# Altium PCB EEG_new.PcbDoc (part 1 of 2) (continued)
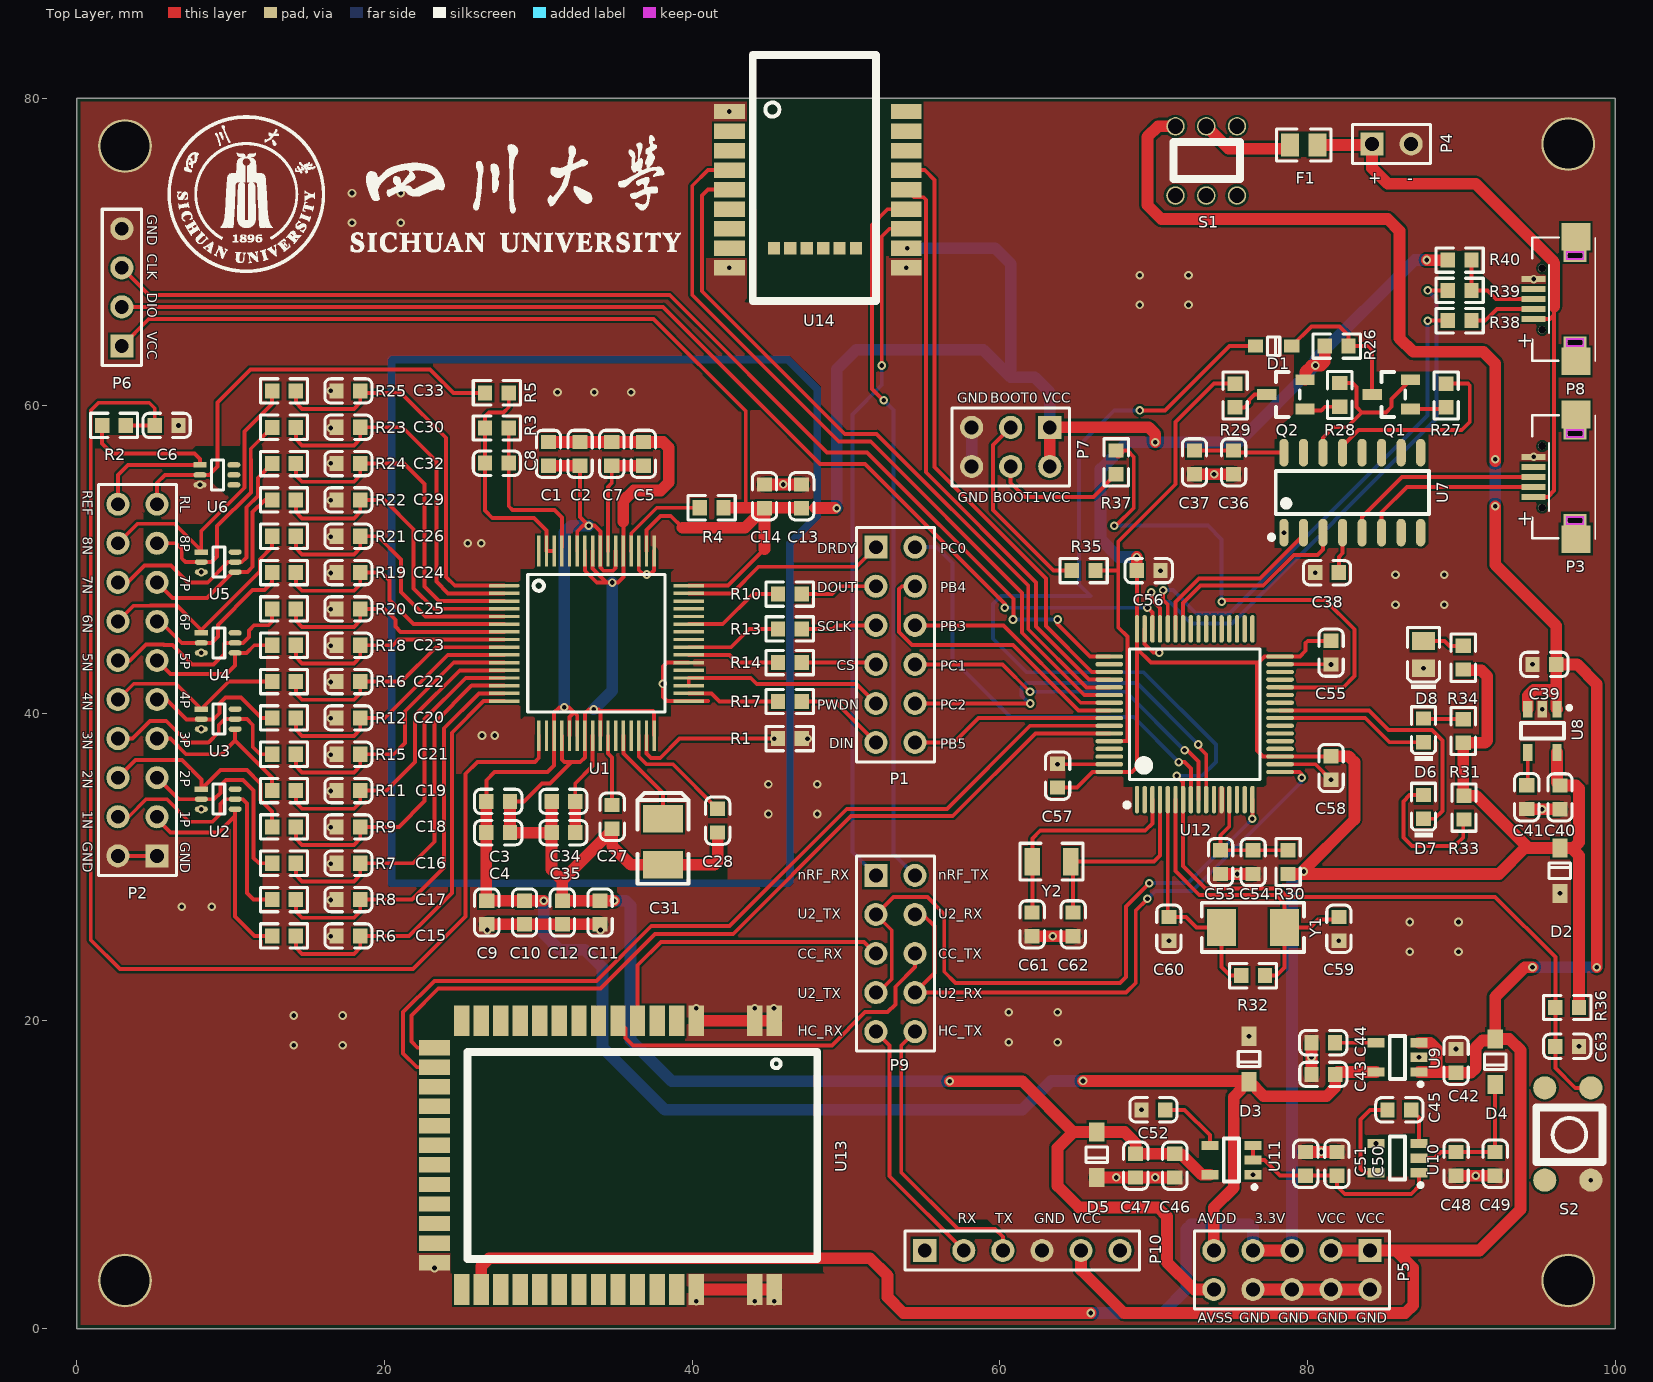
[diagram p0: Top Layer view]
## Footprints (in the part's own frame and the unit in brackets; to place one, negate y for a bottom-side part, rotate by r counter-clockwise, add the part's x,y. Pads: shape width x height; smd on the part's side, far side on the other; paste and mask are expansions set on the pad) (continued)
  rect 1.5x1.5 hole 0.9: 1(0,0)
  round 1.5 hole 0.9: 2(2.54,0) 3(5.08,0) 4(7.62,0) 5(10.16,0) 6(12.7,0)
  silkscreen extent -1.27,-1.27 13.97,1.27
HDR2X3 [mm] "Connector; Header; 3x2 Position"
  rect 1.5x1.5 hole 0.9: 1(0,0)
  round 1.5 hole 0.9: 2(0,2.54) 3(2.54,0) 4(2.54,2.54) 5(5.08,0) 6(5.08,2.54)
  silkscreen extent -1.27,-1.27 6.35,3.81
HDR2X5 [mm] "Connector; Header; 5x2 Position"
  rect 1.5x1.5 hole 0.9: 1(0,0)
  round 1.5 hole 0.9: 2(0,2.54) 3(2.54,0) 4(2.54,2.54) 5(5.08,0) 6(5.08,2.54) 7(7.62,0) 8(7.62,2.54) 9(10.16,0) 10(10.16,2.54)
  silkscreen extent -1.27,-1.27 11.43,3.81
HDR2X6 [mm] "Connector; Header; 6x2 Position"
  rect 1.5x1.5 hole 0.9: 1(0,0)
  round 1.5 hole 0.9: 2(0,2.54) 3(2.54,0) 4(2.54,2.54) 5(5.08,0) 6(5.08,2.54) 7(7.62,0) 8(7.62,2.54) 9(10.16,0) 10(10.16,2.54) 11(12.7,0) 12(12.7,2.54)
  silkscreen extent -1.27,-1.27 13.97,3.81
HDR2X10 [mm] "Connector; Header; 10x2 Position"
  rect 1.5x1.5 hole 0.9: 1(0,0)
  round 1.5 hole 0.9: 2(0,2.54) 3(2.54,0) 4(2.54,2.54) 5(5.08,0) 6(5.08,2.54) 7(7.62,0) 8(7.62,2.54) 9(10.16,0) 10(10.16,2.54) 11(12.7,0) 12(12.7,2.54) 13(15.24,0) 14(15.24,2.54) 15(17.78,0) 16(17.78,2.54) 17(20.32,0) 18(20.32,2.54) 19(22.86,0) 20(22.86,2.54)
  silkscreen extent -1.27,-1.27 24.13,3.81
key_4.5*4.5*3.8 [mm]
  round 1.5 smd: 1(0,0) 2(6,0) ""(0,-3) ""(6,-3)
  silkscreen extent 1.27,-3.56 4.83,0.76
KEY_5.8*5.8 [mm] "KEY_5.8*5.8"
  round 1.2 hole 1: 1(0,0) 2(0,2) 3(0,4) 4(4.5,4) 5(4.5,2) 6(4.5,0)
  silkscreen extent 1.02,-0.13 3.43,4.19
LQFP-64_10x10x05P [mm]
  oval 0.28x1.8 smd mask+0.051: 1(-3.75,-5.55) 2(-3.25,-5.55) 3(-2.75,-5.55) 4(-2.25,-5.55) 5(-1.75,-5.55) 6(-1.25,-5.55) 7(-0.75,-5.55) 8(-0.25,-5.55) 9(0.25,-5.55) 10(0.75,-5.55) 11(1.25,-5.55) 12(1.75,-5.55) 13(2.25,-5.55) 14(2.75,-5.55) 15(3.25,-5.55) 16(3.75,-5.55) 33(3.75,5.55) 34(3.25,5.55) 35(2.75,5.55) 36(2.25,5.55) 37(1.75,5.55) 38(1.25,5.55) 39(0.75,5.55) 40(0.25,5.55) 41(-0.25,5.55) 42(-0.75,5.55) 43(-1.25,5.55) 44(-1.75,5.55) 45(-2.25,5.55) 46(-2.75,5.55) 47(-3.25,5.55) 48(-3.75,5.55)
  oval 1.8x0.28 smd mask+0.051: 17(5.55,-3.75) 18(5.55,-3.25) 19(5.55,-2.75) 20(5.55,-2.25) 21(5.55,-1.75) 22(5.55,-1.25) 23(5.55,-0.75) 24(5.55,-0.25) 25(5.55,0.25) 26(5.55,0.75) 27(5.55,1.25) 28(5.55,1.75) 29(5.55,2.25) 30(5.55,2.75) 31(5.55,3.25) 32(5.55,3.75) 49(-5.55,3.75) 50(-5.55,3.25) 51(-5.55,2.75) 52(-5.55,2.25) 53(-5.55,1.75) 54(-5.55,1.25) 55(-5.55,0.75) 56(-5.55,0.25) 57(-5.55,-0.25) 58(-5.55,-0.75) 59(-5.55,-1.25) 60(-5.55,-1.75) 61(-5.55,-2.25) 62(-5.55,-2.75) 63(-5.55,-3.25) 64(-5.55,-3.75)
  silkscreen extent -4.55,-6.05 4.25,4.25
MICRO-USB [mm]
  rect 0.4x1.55 smd: 1(-1.3,2.2) 2(-0.65,2.2) 3(0,2.2) 4(0.65,2.2) 5(1.3,2.2)
  rect 1.8x1.9 smd: 6(-4.05,-0.55) 6(4.05,-0.55)
  rect 0.8x1.5 hole 0.4 slot 1 at 90 deg: 6(-2.825,-0.5) 6(2.825,-0.5)
  round 0.5 hole 0.5 unplated: ""(-2,1.65) ""(2,1.65)
  Keep-Out Layer lines w0.127: -3.054,0.075 -3.054,-1.043 -2.596,-1.043 -2.596,0.075 -3.054,0.075 ; 2.596,0.075 2.596,-1.043 3.054,-1.043 3.054,0.075 2.596,0.075
  silkscreen extent -4.05,-1.8 4,2.3, body extent -4.03,-3.3 4.03,2.28, height 3.13
nRF52832 [mm]
  rect 2x1 smd: 1(4.826,-4.699) 2(4.826,-3.429) 3(4.826,-2.159) 4(4.826,-0.889) 5(4.826,0.381) 6(4.826,1.651) 7(4.826,2.921) 8(4.826,4.191) 9(4.826,5.461) 16(-6.674,5.461) 17(-6.674,4.191) 18(-6.674,2.921) 19(-6.674,1.651) 20(-6.674,0.381) 21(-6.674,-0.889) 22(-6.674,-2.159) 23(-6.674,-3.429) 24(-6.674,-4.699)
  rect 0.8x0.8 smd: 10(1.93,4.191) 11(0.864,4.191) 12(-0.203,4.191) 13(-1.27,4.191) 14(-2.337,4.191) 15(-3.404,4.191)
  silkscreen extent -4.7,-8.38 3.3,7.62
"SMD-3215_2P FC - 135" [mm]
  rect 1x1.8 smd: 1(-1.25,0) 2(1.25,0)
  silkscreen extent -2.05,-1.2 2.05,1.2
SMD-5032_2P [mm]
  rect 1.9x2.4 smd: 1(-2.05,0) 2(2.05,0)
  silkscreen extent -3.32,-1.6 3.32,1.6
SOD-123 [mm]
  rect 1.25x1 smd: 1(1.475,0) 2(-1.475,0)
  silkscreen extent -0.5,-0.7 0.5,0.7, body extent -1.85,-0.77 1.85,0.78, height 1.35
SOD-323 [mm]
  rect 1x0.83 smd: 1(1.18,0) 2(-1.18,0)
  silkscreen extent -0.4,-0.6 0.4,0.6, body extent -1.35,-0.62 1.35,0.63, height 1.1
SOIC-16_150mil [mm]
  oval 0.6x1.8 smd: 1(-4.445,-2.6) 2(-3.175,-2.6) 3(-1.905,-2.6) 4(-0.635,-2.6) 5(0.635,-2.6) 6(1.905,-2.6) 7(3.175,-2.6) 8(4.445,-2.6) 9(4.445,2.6) 10(3.175,2.6) 11(1.905,2.6) 12(0.635,2.6) 13(-0.635,2.6) 14(-1.905,2.6) 15(-3.175,2.6) 16(-4.445,2.6)
  silkscreen extent -5.4,-3.05 4.97,1.4
SOP6 [mm]
  rect 0.85x0.35 smd: 1(0,0)
  oval 0.85x0.35 smd: 2(0,-0.65) 3(0,-1.3) 4(2.2,-1.3) 5(2.2,-0.65) 6(2.2,0)
  silkscreen extent 0.76,-1.63 1.52,0.33
SOT-23(SOT-23-3) [mm]
  rect 1.25x0.7 smd: 1(1.25,-0.95) 2(1.25,0.95) 3(-1.25,0)
  silkscreen extent -0.65,-1.46 0.9,1.46, body extent -1.5,-1.5 1.5,1.5, height 1.3
SOT-23-5 [mm]
  rect 1.1x0.6 smd: 1(1.4,-0.95) 2(1.4,0) 3(1.4,0.95) 4(-1.4,0.95) 5(-1.4,-0.95)
  silkscreen extent -0.5,-1.88 1.62,1.4

## Part data
C1 C2 C3 C4 C5 C7 C8 C9 C10 C11 C12 C13 C14 C27 C28 C35 C47 C49 C51: library part "0603 10nF (103) 10% 50V", "贴片电容", Package=0603, SuppliersPartNumber=C57112, ComponentLink1Description=供应商链接, ComponentLink1URL=http://www.szlcsc.com/product/details_58143.html, Supplier=LC
C6 C15 C16 C17 C18 C19 C20 C21 C22 C23 C24 C25 C26 C29 C30 C32 C33: library part "0603 4.7nF (472) 10% 50V", "贴片电容", Package=0603, SuppliersPartNumber=C53987, ComponentLink1Description=供应商链接, ComponentLink1URL=http://www.szlcsc.com/product/details_55004.html, Supplier=LC
C31: library part "3528 100uF (107) 10% 6.3V", "钽电容", Package=3528, SuppliersPartNumber=C16133, ComponentLink1Description=供应商链接, ComponentLink1URL=http://www.szlcsc.com/product/details_16815.html, Supplier=LC
C34 C36 C53: library part "0603 10uF (106) 10% 10V", "贴片电容", Package=0603, SuppliersPartNumber=C19702, ComponentLink1Description=供应商链接, ComponentLink1URL=http://www.szlcsc.com/product/details_20411.html, Supplier=LC
C37 C38 C54 C55 C56 C57 C58 C63: library part "0603 100nF (104) 10% 50V", "贴片电容", Package=0603, SuppliersPartNumber=C14663, ComponentLink1Description=供应商链接, ComponentLink1URL=http://www.szlcsc.com/product/details_15331.html, Supplier=LC
C39 C40 C42 C43 C45 C46 C48 C50: library part "0603 1uF (105) 10% 50V", "贴片电容", Package=0603, SuppliersPartNumber=C15849, ComponentLink1Description=供应商链接, ComponentLink1URL=http://www.szlcsc.com/product/details_16531.html, Supplier=LC
C41 C44 C52: library part "0603 1nF (102) 10% 50V", "贴片电容", Package=0603, SuppliersPartNumber=C1588, ComponentLink1Description=供应商链接, ComponentLink1URL=http://www.szlcsc.com/product/details_1940.html, Supplier=LC
C59 C60: library part "0603 22pF (220) 5% 50V", "贴片电容", Package=0603, SuppliersPartNumber=C1653, ComponentLink1Description=供应商链接, ComponentLink1URL=http://www.szlcsc.com/product/details_2005.html, Supplier=LC
C61 C62: library part "0603 10pF (100) 5% 50V", "贴片电容", Package=0603, SuppliersPartNumber=C1634, ComponentLink1Description=供应商链接, ComponentLink1URL=http://www.szlcsc.com/product/details_1986.html, Supplier=LC
D1: library part "SOD-323 1N4148WS T4", "二极管", Package=SOD-323, SuppliersPartNumber=C2128, ComponentLink1Description=供应商链接, ComponentLink1URL=http://www.szlcsc.com/product/details_2485.html, Supplier=LC
D2 D3 D4 D5: library part "SOD-123 B5819W  SL", "肖特基二极管", Package=SOD-123, SuppliersPartNumber=C8598, ComponentLink1Description=供应商链接, ComponentLink1URL=http://www.szlcsc.com/product/details_9093.html, Supplier=LC
D6 D7: library part "0603 绿灯", "发光二极管", Package=0603, SuppliersPartNumber=C72043, ComponentLink1Description=供应商链接, ComponentLink1URL=http://www.szlcsc.com/product/details_73152.html, Supplier=LC
D8: library part "0805 红灯", "发光二极管", Package=0805, SuppliersPartNumber=C2295, ComponentLink1Description=供应商链接, ComponentLink1URL=http://www.szlcsc.com/product/details_2668.html, Supplier=LC
F1: library part "Fuse 2", "Fuse", LatestRevisionDate=17-Jul-2002, LatestRevisionNote="Re-released for DXP Platform.", PackageDescription="Thru-Hole; 2 Leads", PackageReference=PIN-W2/E2.8, Published=8-Jun-2000, Publisher="Altium Limited"
P1: "Header, 6-Pin, Dual row", LatestRevisionDate=17-Jul-2002, LatestRevisionNote="Re-released for DXP Platform.", Publisher="Altium Limited"
P2: "Header, 10-Pin, Dual row", LatestRevisionDate=17-Jul-2002, LatestRevisionNote="Re-released for DXP Platform.", Publisher="Altium Limited"
P3 P8: library part "Header 5", "Header, 5-Pin", LatestRevisionDate=17-Jul-2002, LatestRevisionNote="Re-released for DXP Platform.", Publisher="Altium Limited"
P4: "Header, 2-Pin", LatestRevisionDate=17-Jul-2002, LatestRevisionNote="Re-released for DXP Platform.", Publisher="Altium Limited"
P5 P9: "Header, 5-Pin, Dual row", LatestRevisionDate=17-Jul-2002, LatestRevisionNote="Re-released for DXP Platform.", Publisher="Altium Limited"
P6: library part "Header 4", "Header, 4-Pin", LatestRevisionDate=17-Jul-2002, LatestRevisionNote="Re-released for DXP Platform.", Publisher="Altium Limited"
P7: "Header, 3-Pin, Dual row", LatestRevisionDate=17-Jul-2002, LatestRevisionNote="Re-released for DXP Platform.", Publisher="Altium Limited"
P10: library part "Header 6", "Header, 6-Pin", LatestRevisionDate=17-Jul-2002, LatestRevisionNote="Re-released for DXP Platform.", Publisher="Altium Limited"
Q1: library part "SOT-23 SS8050 Y1", "三极管", Package=SOT-23, SuppliersPartNumber=C2150, ComponentLink1Description=供应商链接, ComponentLink1URL=http://www.szlcsc.com/product/details_2507.html, Supplier=LC
Q2: library part "SOT-23 SS8550 Y2", "三极管", Package=SOT-23, SuppliersPartNumber=C8542, ComponentLink1Description=供应商链接, ComponentLink1URL=http://www.szlcsc.com/product/details_9037.html, Supplier=LC
R1 R3 R5: library part "0603 100KΩ (1003) 1%", "贴片电阻", Package=0603, SuppliersPartNumber=C25803, ComponentLink1Description=供应商链接, ComponentLink1URL=http://www.szlcsc.com/product/details_26546.html, Supplier=LC
R2 R6 R7 R8 R9 R11 R12 R15 R16 R18 R19 R20 R21 R22 R23 R24 R25: library part "0603 4.99KΩ (4991) 1%", "贴片电阻", Package=0603, SuppliersPartNumber=C23046, ComponentLink1Description=供应商链接, ComponentLink1URL=http://www.szlcsc.com/product/details_23773.html, Supplier=LC
R4 R35 R37: library part "0603 10KΩ (1002) 1%", "贴片电阻", Package=0603, SuppliersPartNumber=C25804, ComponentLink1Description=供应商链接, ComponentLink1URL=http://www.szlcsc.com/product/details_26547.html, Supplier=LC
R10 R13 R14 R17: library part "0603 33Ω (33R0) 1%", "贴片电阻", Package=0603, SuppliersPartNumber=C23140, ComponentLink1Description=供应商链接, ComponentLink1URL=http://www.szlcsc.com/product/details_23867.html, Supplier=LC
R26 R27 R28 R29 R34: library part "0603 1KΩ (1001) 1%", "贴片电阻", Package=0603, SuppliersPartNumber=C21190, ComponentLink1Description=供应商链接, ComponentLink1URL=http://www.szlcsc.com/product/details_21904.html, Supplier=LC
R30 R36 R38 R39: library part "0603 10Ω (10R0) 1%", "贴片电阻", Package=0603, SuppliersPartNumber=C22859, ComponentLink1Description=供应商链接, ComponentLink1URL=http://www.szlcsc.com/product/details_23586.html, Supplier=LC
R31 R33: library part "0603 510Ω (5100) 1%", "贴片电阻", Package=0603, SuppliersPartNumber=C23193, ComponentLink1Description=供应商链接, ComponentLink1URL=http://www.szlcsc.com/product/details_23920.html, Supplier=LC
R32: library part "0603 1.2MΩ (1204) 1%", "贴片电阻", Package=0603, SuppliersPartNumber=C22766, ComponentLink1Description=供应商链接, ComponentLink1URL=http://www.szlcsc.com/product/details_23493.html, Supplier=LC
R40: library part "0603 1.5KΩ (1501) 1%", "贴片电阻", Package=0603, SuppliersPartNumber=C22843, ComponentLink1Description=供应商链接, ComponentLink1URL=http://www.szlcsc.com/product/details_23570.html, Supplier=LC
S1 S2: "Switch", LatestRevisionDate=17-Jul-2002, LatestRevisionNote="Re-released for DXP Platform.", PackageDescription="Switch; 2 Leads", PackageReference=SPST-2, Published=24-Mar-1999, Publisher="Altium Limited"
U7: library part CH340G_[C14267], "USB", Package=SOIC-16_150mil, SuppliersPartNumber=C14267, ComponentLink1Description=供应商链接, ComponentLink1URL=http://www.szlcsc.com/product/details_14927.html, Supplier=LC
U12: "ARM", Package=LQFP-64_10x10x05P, SuppliersPartNumber=C8323, ComponentLink1Description=供应商链接, ComponentLink1URL=http://www.szlcsc.com/product/details_8815.html, Supplier=LC
Y1 Y2: library part "SMD-5032_2P 8MHz 20ppm 20pF", "贴片晶振", Package=SMD-5032_2P, SuppliersPartNumber=C115962, ComponentLink1Description=供应商链接, ComponentLink1URL=http://www.szlcsc.com/product/details_117214.html, Supplier=LC

## Free pads (board coordinates)
  round 3.5 hole 3.2: 11(3.127,3.127) 11(3.127,76.883) 11(96.949,3.127) 11(96.949,77.01)

## Via types
v1: diameter 0.559, hole 0.305, Top Layer to Bottom Layer, tented both sides, 151 vias

## Nets (pads, with @x,y where several pads share a name; then routed paths per layer and width w, separated by ;. In a path a pad name is that pad's centre, name@x,y a point inside that pad or via, vN(x,y) a via of type N, cw(c..) or ccw(c..) an arc to the next point about the centre after c; other vN are vias at no path point)
+5V: C36.1 C37.1 U7.16 | length 5.9
  Top Layer w0.254: C37.1@72.655,57.085 C36.1@75.2,57.085 75.337,56.948 U7.16@78.47,56.948
AGND: C6.1 C9.2 C10.2 C11.2 C12.2 C15.1 C16.1 C17.2 C18.2 C19.1 C20.1 C21.2 C22.2 C23.1 C24.1 C25.2 C26.2 C29.1 C30.1 C32.2 C33.2 C36.2 C37.2 C38.1 C39.1 C40.1 C41.1 C42.1 C43.1 C44.1 C46.2 C47.1 C48.2 C49.1 C50.2 C51.1 C52.1 C53.1 C54.1 C55.1 C56.1 C57.1 C58.1 C59.1 C60.1 C61.1 C62.1 C63.1 D2.1 D3.1 D5.2 D8.K P2.1 P2.2 P3.5 P4.2 P5.2 P5.4 P5.6 P5.8 P6.4 P7.5 P7.6 P8.5 P10.4 pad.11 R1.2 S2.2 U2.3 U3.3 U4.3 U5.3 U6.3 U7.1 U8.2 U9.2 U10.4 U11.1 U12.12 U12.18 U12.31 U12.47 U12.63 U13.1 U13.2 U13.3 U13.27 U13.40 U13.41 U13.42 U14.1 U14.9 U14.16 | length 63.9
  Top Layer w0.254: P2.2@2.667,30.734 P2.1@5.207,30.734 ; C57.1@63.754,36.711 63.776,36.689 U12.63@67.118,36.689 ; U12.47@69.418,45.489 69.418,44.501 69.977,43.942 v1(70.358,43.942) ; U12.18@78.218,36.689 80.521,36.689 v1(81.534,35.676) ; U12.31@78.218,43.189 81.517,43.189 v1(81.534,43.172)
  Top Layer w0.762: C9.2@26.646,26.281 C10.2@29.101,26.281 C12.2@31.557,26.281 C11.2@34.012,26.281 ; U13.40@40.259,2.54 U13.41@44.059,2.54 U13.42@45.329,2.54 ; U13.3@40.259,20.01 U13.2@44.059,20.01 U13.1@45.329,20.01 ; C61.1@62.103,25.511 C62.1@64.77,25.511 ; D5.2@66.294,9.828 v1(67.564,9.828) v1(70.104,9.828) 71.364,9.828 C46.2@71.374,9.818 ; C37.2@72.655,55.545 v1(73.927,55.545) C36.2@75.2,55.545 ; C53.1@74.351,29.559 v1(75.438,29.559) C54.1@76.464,29.559 ; P5.8@76.454,2.54 P5.6@78.994,2.54 P5.4@81.534,2.54 P5.2@84.074,2.54 ; C51.1@79.883,11.485 v1(80.899,11.485) C50.2@81.915,11.485 ; C44.1@80.256,18.585 80.256,16.533 C43.1@80.264,16.525 ; C48.2@89.662,9.945 v1(90.932,9.945) C49.1@92.202,9.945 ; C41.1@94.389,33.766 v1(95.25,33.766) C40.1@96.413,33.766
  Bottom Layer w0.762: P7.6@58.166,56.05 P7.5@58.166,58.59
  other v1: 40.259,1.778 44.069,1.778 45.339,1.778 23.249,3.937 98.425,9.652 76.457,10.003 84.452,12.03 69.215,14.224 80.264,17.635 87.252,17.635 89.662,18.177 97.655,18.349 14.097,18.415 17.272,18.415 60.579,18.62 63.754,18.62 76.2,19.001 14.097,20.355 17.272,20.355 60.579,20.56 63.754,20.56 40.259,20.828 44.059,20.828 45.314,20.828 86.646,24.493 89.821,24.493 70.993,25.223 82.042,25.223 16.51,25.502 63.436,25.511 26.671,25.908 34.037,25.908 86.646,26.433 89.821,26.433 6.819,27.432 8.763,27.432 16.51,27.864 96.413,28.292 16.51,30.226 16.51,32.588 48.133,33.454 8.087,33.766 16.51,34.95 48.133,35.394 63.754,36.689 16.51,37.313 47.498,38.354 8.087,38.974 16.51,39.675 95.27,40.262 16.51,42.037 87.546,42.926 94.627,43.18 8.087,43.927 16.51,44.399 16.51,46.761 85.725,47.058 88.9,47.058 85.725,48.998 88.9,48.998 16.51,49.124 80.502,49.141 8.087,49.183 70.45,49.276 16.51,51.486 78.47,51.748 16.51,53.848 8.001,54.849 16.51,56.261 94.703,56.672 16.51,58.547 6.604,58.717 16.51,60.96 69.088,66.548 72.263,66.548 94.703,68.229 69.088,68.488 72.263,68.488 42.418,68.961 53.918,68.961 17.887,71.882 21.062,71.882 17.887,73.822 21.062,73.822 42.418,79.121
AIN1N: C17.1 R8.2 U1.15 | length 26.3
  Top Layer w0.254: R8.2@14.232,27.889 14.232,27.119 14.642,26.709 18.005,26.709 18.423,27.127 C17.1@18.423,27.889 21.793,27.889 23.876,29.972 23.876,39.031 26.141,41.296 U1.15@27.778,41.296
AIN1P: C15.2 R6.2 U1.16 | length 27.8
  Top Layer w0.254: R6.2@14.232,25.527 14.232,24.757 14.642,24.347 18.005,24.347 18.423,24.765 C15.2@18.423,25.527 21.59,25.527 24.384,28.321 24.384,38.735 26.445,40.796 U1.16@27.778,40.796
AIN2N: C18.1 R9.2 U1.13 | length 22.6
  Top Layer w0.254: R9.2@14.232,32.614 14.232,31.844 14.642,31.434 18.005,31.434 18.423,31.852 C18.1@18.423,32.614 20.93,32.614 22.606,34.29 22.606,39.624 25.278,42.296 U1.13@27.778,42.296
AIN2P: C16.2 R7.2 U1.14 | length 24.7
  Top Layer w0.254: R7.2@14.232,30.251 14.232,29.481 14.642,29.071 18.005,29.071 18.423,29.489 C16.2@18.423,30.251 21.843,30.251 23.241,31.649 23.241,39.37 25.667,41.796 U1.14@27.778,41.796
AIN3N: C21.1 R15.2 U1.11 | length 19.1
  Top Layer w0.254: R15.2@14.232,37.338 14.232,36.568 14.642,36.158 18.005,36.158 18.423,36.576 C21.1@18.423,37.338 20.599,37.338 21.336,38.075 21.336,40.132 24.5,43.296 U1.11@27.778,43.296
AIN3P: C19.2 R11.2 U1.12 | length 20.4
  Top Layer w0.254: R11.2@14.232,34.976 14.232,34.206 14.642,33.796 18.005,33.796 18.423,34.214 C19.2@18.423,34.976 20.117,34.976 21.971,36.83 21.971,39.878 24.889,42.796 U1.12@27.778,42.796
AIN4N: C22.1 R16.2 U1.9 | length 16.3
  Top Layer w0.254: R16.2@14.232,42.062 14.232,41.292 14.642,40.882 18.005,40.882 18.423,41.3 C22.1@18.423,42.062 21.107,42.062 23.341,44.296 U1.9@27.778,44.296
AIN4P: C20.2 R12.2 U1.10 | length 17.1
  Top Layer w0.254: R12.2@14.232,39.7 14.232,38.93 14.642,38.52 18.005,38.52 18.423,38.938 C20.2@18.423,39.7 20.015,39.7 24.111,43.796 U1.10@27.778,43.796
AIN5N: C25.1 R20.2 U1.7 | length 16.3
  Top Layer w0.254: R20.2@14.232,46.787 14.232,46.017 14.642,45.607 18.005,45.607 18.423,46.025 C25.1@18.423,46.787 19.998,46.787 20.701,46.084 20.701,45.644 21.049,45.296 U1.7@27.778,45.296
AIN5P: C23.2 R18.2 U1.8 | length 15.6
  Top Layer w0.254: R18.2@14.232,44.425 14.232,43.655 14.642,43.245 18.005,43.245 18.423,43.663 C23.2@18.423,44.425 20.549,44.425 20.92,44.796 U1.8@27.778,44.796
AIN6N: C26.1 R21.2 U1.5 | length 18.8
  Top Layer w0.254: R21.2@14.232,51.511 14.232,50.741 14.642,50.331 18.005,50.331 18.423,50.749 C26.1@18.423,51.511 19.558,51.511 21.082,49.987 21.082,47.879 22.665,46.296 U1.5@27.778,46.296
AIN6P: C24.2 R19.2 U1.6 | length 17.6
  Top Layer w0.254: R19.2@14.232,49.149 14.232,48.379 14.642,47.969 18.005,47.969 18.423,48.387 C24.2@18.423,49.149 19.812,49.149 20.32,48.641 20.32,47.371 21.895,45.796 U1.6@27.778,45.796
AIN7N: C32.1 R24.2 U1.3 | length 23
  Top Layer w0.254: R24.2@14.232,56.236 14.232,55.466 14.642,55.056 18.005,55.056 18.423,55.474 C32.1@18.423,56.236 21.277,56.236 22.606,54.907 22.606,48.234 23.544,47.296 U1.3@27.778,47.296
AIN7P: C29.2 R22.2 U1.4 | length 20.6
  Top Layer w0.254: R22.2@14.232,53.848 14.232,53.078 14.642,52.668 18.005,52.668 18.423,53.086 C29.2@18.423,53.848 ; C29.2@18.423,53.873 19.99,53.873 21.895,51.968 21.895,48.126 23.225,46.796 U1.4@27.778,46.796
AIN8N: C33.1 R25.2 U1.1 | length 26
  Top Layer w0.254: R25.2@14.232,60.96 14.232,60.19 14.642,59.78 18.005,59.78 18.423,60.198 C33.1@18.423,60.96 18.55,60.833 21.082,60.833 24.003,57.912 24.003,48.86 24.567,48.296 U1.1@27.778,48.296
AIN8P: C30.2 R23.2 U1.2 | length 24.5
  Top Layer w0.254: R23.2@14.232,58.59 14.232,57.82 14.642,57.41 18.005,57.41 18.423,57.828 C30.2@18.423,58.59 ; C30.2@18.423,58.598 21.158,58.598 23.368,56.388 23.368,48.563 24.135,47.796 U1.2@27.778,47.796
AVDD: C1.1 C2.1 C3.1 C4.1 C9.1 C10.1 C43.2 D3.2 P5.9 U1.19 U1.21 U1.22 U1.54 U1.56 U1.59 U9.5 | length 130
  Top Layer w0.254: C9.1@26.621,27.846 C9.1@26.646,27.821 ; C3.1@26.621,34.274 26.621,35.651 27.159,36.189 30.601,36.189 31.028,36.616 U1.19@31.028,38.546 31.028,40.045 31.369,40.386 v1(31.686,40.386) 32.004,40.386 32.334,40.056 ; U1.21@32.028,38.546 32.028,39.751 32.334,40.056 ; U1.22@32.528,38.546 32.528,39.862 32.334,40.056 ; U1.59@32.528,50.546 32.528,51.832 32.893,52.197 v1(33.27,52.197) ; C2.1@32.714,56.095 32.714,52.753 v1(33.27,52.197) ; U1.54@35.028,50.546 35.028,49.446 34.849,49.267 34.239,49.267 34.028,49.478 U1.56@34.028,50.546 34.028,51.816 33.647,52.197 v1(33.27,52.197) ; C43.2@81.804,16.525 C43.2@81.964,16.685
  Top Layer w0.762: C9.1@26.621,27.846 C4.1@26.621,32.242 C3.1@26.621,34.274 ; C9.1@26.646,27.821 C10.1@29.101,27.821 29.109,27.813 v1(30.353,27.813) ; C1.1@30.656,56.095 C2.1@32.714,56.095 ; v1(65.405,16.1) D3.2@76.2,16.1 ; P5.9@73.914,5.08 73.914,7.874 75.2,9.16 75.2,15.051 76.176,16.074 D3.2@76.2,16.1 ; C43.2@81.804,16.525 81.804,15.68 81.237,15.113 77.138,15.113 76.224,16.074 D3.2@76.2,16.1 ; C43.2@81.964,16.685 U9.5@84.452,16.685
  Bottom Layer w0.762: v1(30.353,27.813) 30.353,25.654 31.369,24.638 33.02,24.638 34.163,23.495 34.163,18.288 38.227,14.224 61.468,14.224 63.344,16.1 v1(65.405,16.1) ; v1(31.686,40.386) 31.686,51.752 32.131,52.197 v1(33.27,52.197)
AVSS: C1.2 C2.2 C3.2 C4.2 C5.2 C7.2 C11.1 C12.1 C27.2 C28.2 C31.2 C34.1 C35.2 C46.1 C47.2 D5.1 P5.10 U1.20 U1.23 U1.25 U1.32 U1.53 U1.57 U1.58 U11.5 | length 153.2
  Top Layer w0.254: C3.2@28.161,34.274 29.067,34.274 30.226,35.433 30.758,35.433 32.155,36.83 ; U1.20@31.528,38.546 31.528,36.986 31.684,36.83 32.155,36.83 ; U1.58@33.028,50.546 33.028,49.268 33.797,48.499 34.432,48.499 ; U1.57@33.528,50.546 33.528,49.403 34.432,48.499 ; U1.25@34.028,38.546 34.028,40.143 ; 35.528,52.462 U1.53@35.528,50.546 35.528,48.86 35.167,48.499 v1(34.799,48.499) 34.432,48.499 ; U1.32@37.528,38.546 37.528,40.069 37.454,40.143 34.028,40.143 ; 32.155,36.83 32.723,36.83 33.028,37.135 U1.23@33.028,38.546 33.028,40.013 33.277,40.262 v1(33.593,40.262) 33.909,40.262 34.028,40.143
  Top Layer w0.762: C3.2@28.161,34.274 C4.2@28.161,32.242 C35.2@30.861,32.242 ; C1.2@30.656,57.635 C2.2@32.714,57.635 C7.2@34.772,57.635 C5.2@36.83,57.635 38.123,57.635 38.481,57.277 38.481,55.007 37.957,54.483 36.195,54.483 35.528,53.816 35.528,52.462 ; C34.1@30.861,34.274 C35.2@30.861,32.242 ; C27.2@34.798,32.504 C27.2@34.798,32.391 ; v1(34.917,27.821) C11.1@34.012,27.821 C12.1@31.557,27.821 31.557,29.149 ; C28.2@41.656,32.25 41.656,30.353 41.45,30.147 C31.2@38.1,30.147 36.02,30.147 34.798,31.369 C27.2@34.798,32.391 ; v1(56.746,16.074) 61.474,16.074 64.77,12.778 ; U11.5@73.657,10.003 73.124,10.003 71.769,11.358 C46.1@71.374,11.358 C47.2@68.834,11.358 68.834,12.065 68.121,12.778 D5.1@66.294,12.778 64.77,12.778 ; P5.10@73.914,2.54 72.644,2.54 70.866,4.318 70.866,7.291 70.283,7.874 65.151,7.874 63.754,9.271 63.754,11.762 64.77,12.778 ; C35.2@30.861,32.242 30.861,29.845 31.557,29.149 ; 31.557,29.149 C27.2@34.798,32.391
  Bottom Layer w0.762: v1(33.593,40.262) 34.799,41.468 v1(34.799,48.499) ; v1(34.917,27.821) 35.679,27.821 35.996,27.504 35.996,18.758 38.68,16.074 v1(56.746,16.074)
BOOT0: R29.2 R35.1 U12.60 | length 30.1
  Top Layer w0.254: R35.1@66.219,49.276 67.701,49.276 ; U12.60@67.118,38.189 68.288,38.189 68.288,38.506 68.297,38.515 68.297,44.987 67.701,45.583 67.701,49.276 ; R29.2@75.295,61.43 73.914,61.43 71.418,58.934 71.418,54.892 67.701,51.175 67.701,49.276
BOOT1: R37.2 U12.28 | length 35.5
  Top Layer w0.254: v1@67.564,52.197 68.707,53.34 68.707,56.672 68.294,57.085 R37.2@67.564,57.085 ; v1@74.404,47.371 81.153,47.371 83.058,45.466 83.058,42.418 82.329,41.689 U12.28@78.218,41.689
  Top Layer w0.762: R37.2@67.564,57.085 R37.2@67.701,56.948
  Bottom Layer w0.254: v1(67.437,52.197) 73.533,52.197 74.422,51.308 v1(74.422,47.244)
C\S\: P1.7 R14.2 | length 4.9
  Top Layer w0.254: R14.2@47.117,43.296 51.827,43.296 P1.7@51.943,43.18
CC2640_RX: P9.5 U13.6 | length 20.1
  Top Layer w0.254: U13.6@36.449,20.01 36.449,23.622 37.973,25.146 51.181,25.146 P9.5@51.943,24.384
CC2640_TX: P9.6 U13.7 | length 24
  Top Layer w0.254: U13.7@35.179,20.01 35.67,19.519 35.67,18.894 36.149,18.415 49.088,18.415 51.247,20.574 52.705,20.574 53.213,21.082 53.213,22.225 54.483,23.495 P9.6@54.483,24.384
CH340_D+: P3.3 U7.5 | length 13.3
  Top Layer w0.254: U7.5@83.55,51.748 83.55,52.775 84.185,53.41 86.147,55.372 86.767,55.372 P3.3@94.703,55.372
CH340_D-: P3.2 U7.6 | length 11.9
  Top Layer w0.254: U7.6@84.82,51.748 84.82,53.07 86.472,54.722 P3.2@94.703,54.722
D\R\D\Y\: P1.1 U1.47 | length 13.4
  Top Layer w0.254: U1.47@39.778,47.796 42.589,47.796 44.323,49.53 50.673,49.53 P1.1@51.943,50.8
DGND: C13.2 C14.2 R1.1 U1.31 U1.33 U1.38 U1.49 U1.51 | length 23.1
  Top Layer w0.254: U1.51@36.528,50.546 36.528,49.324 36.83,49.022 v1(37.046,49.022) 37.262,49.022 37.528,49.288 U1.49@37.528,50.546 ; U1.31@37.028,38.546 37.028,37.399 37.332,37.095 37.923,37.095 39.182,38.354 43.483,38.354 v1(45.339,38.354) ; U1.38@39.778,43.296 38.351,43.296 38.1,43.045 38.1,41.05 38.354,40.796 U1.33@39.778,40.796 41.041,40.796
  Top Layer w0.762: C14.2@44.704,54.88 v1(45.91,54.88) C13.2@47.117,54.88
  other v1: 44.958,33.454 44.958,35.394 26.334,38.555 27.159,38.555 38.1,41.91 25.4,51.054 26.289,51.063 31.242,60.87 33.635,60.87 36.028,60.87
DIN: P1.11 R17.2 | length 5.9
  Top Layer w0.254: R17.2@47.117,40.767 49.276,40.767 P1.11@51.943,38.1
DOUT: P1.3 R10.2 | length 5
  Top Layer w0.254: R10.2@47.117,47.752 49.105,47.752 49.613,48.26 P1.3@51.943,48.26
HC05_RX: P9.9 P10.2 | length 16.6
  Top Layer w0.254: P9.9@51.943,19.304 52.832,18.415 52.832,9.906 P10.2@57.658,5.08
HC05_TX: P9.10 P10.3 | length 18.7
  Top Layer w0.254: P9.10@54.483,19.304 53.594,18.415 53.594,10.16 57.277,6.477 59.69,6.477 60.198,5.969 P10.3@60.198,5.08
IN1N: P2.4 R8.1 U2.5 | length 18.2
  Top Layer w0.254: P2.4@2.667,33.274 3.37,33.274 4.512,34.416 5.843,34.416 7.307,32.952 8.813,32.952 9.334,33.473 9.334,34.1 9.651,34.416 U2.5@10.287,34.416 10.779,34.416 11.049,34.146 11.049,28.321 11.481,27.889 R8.1@12.692,27.889